# Altium PCB Fail 1.PcbDoc (part 1 of 2)
Units mil, origin at the board's own origin, x right, y up, seen from the top; angles counter-clockwise.
Board outline 15070 x 12950 mil, 6 copper layers (Top Layer, Layer 3, Layer 1, Layer 2, Layer 4, Bottom Layer), stack 32.112 mil thick; 221 components, 155 nets, 921 pads, 0 vias.
Unrouted connection lines stored in the file: 504.
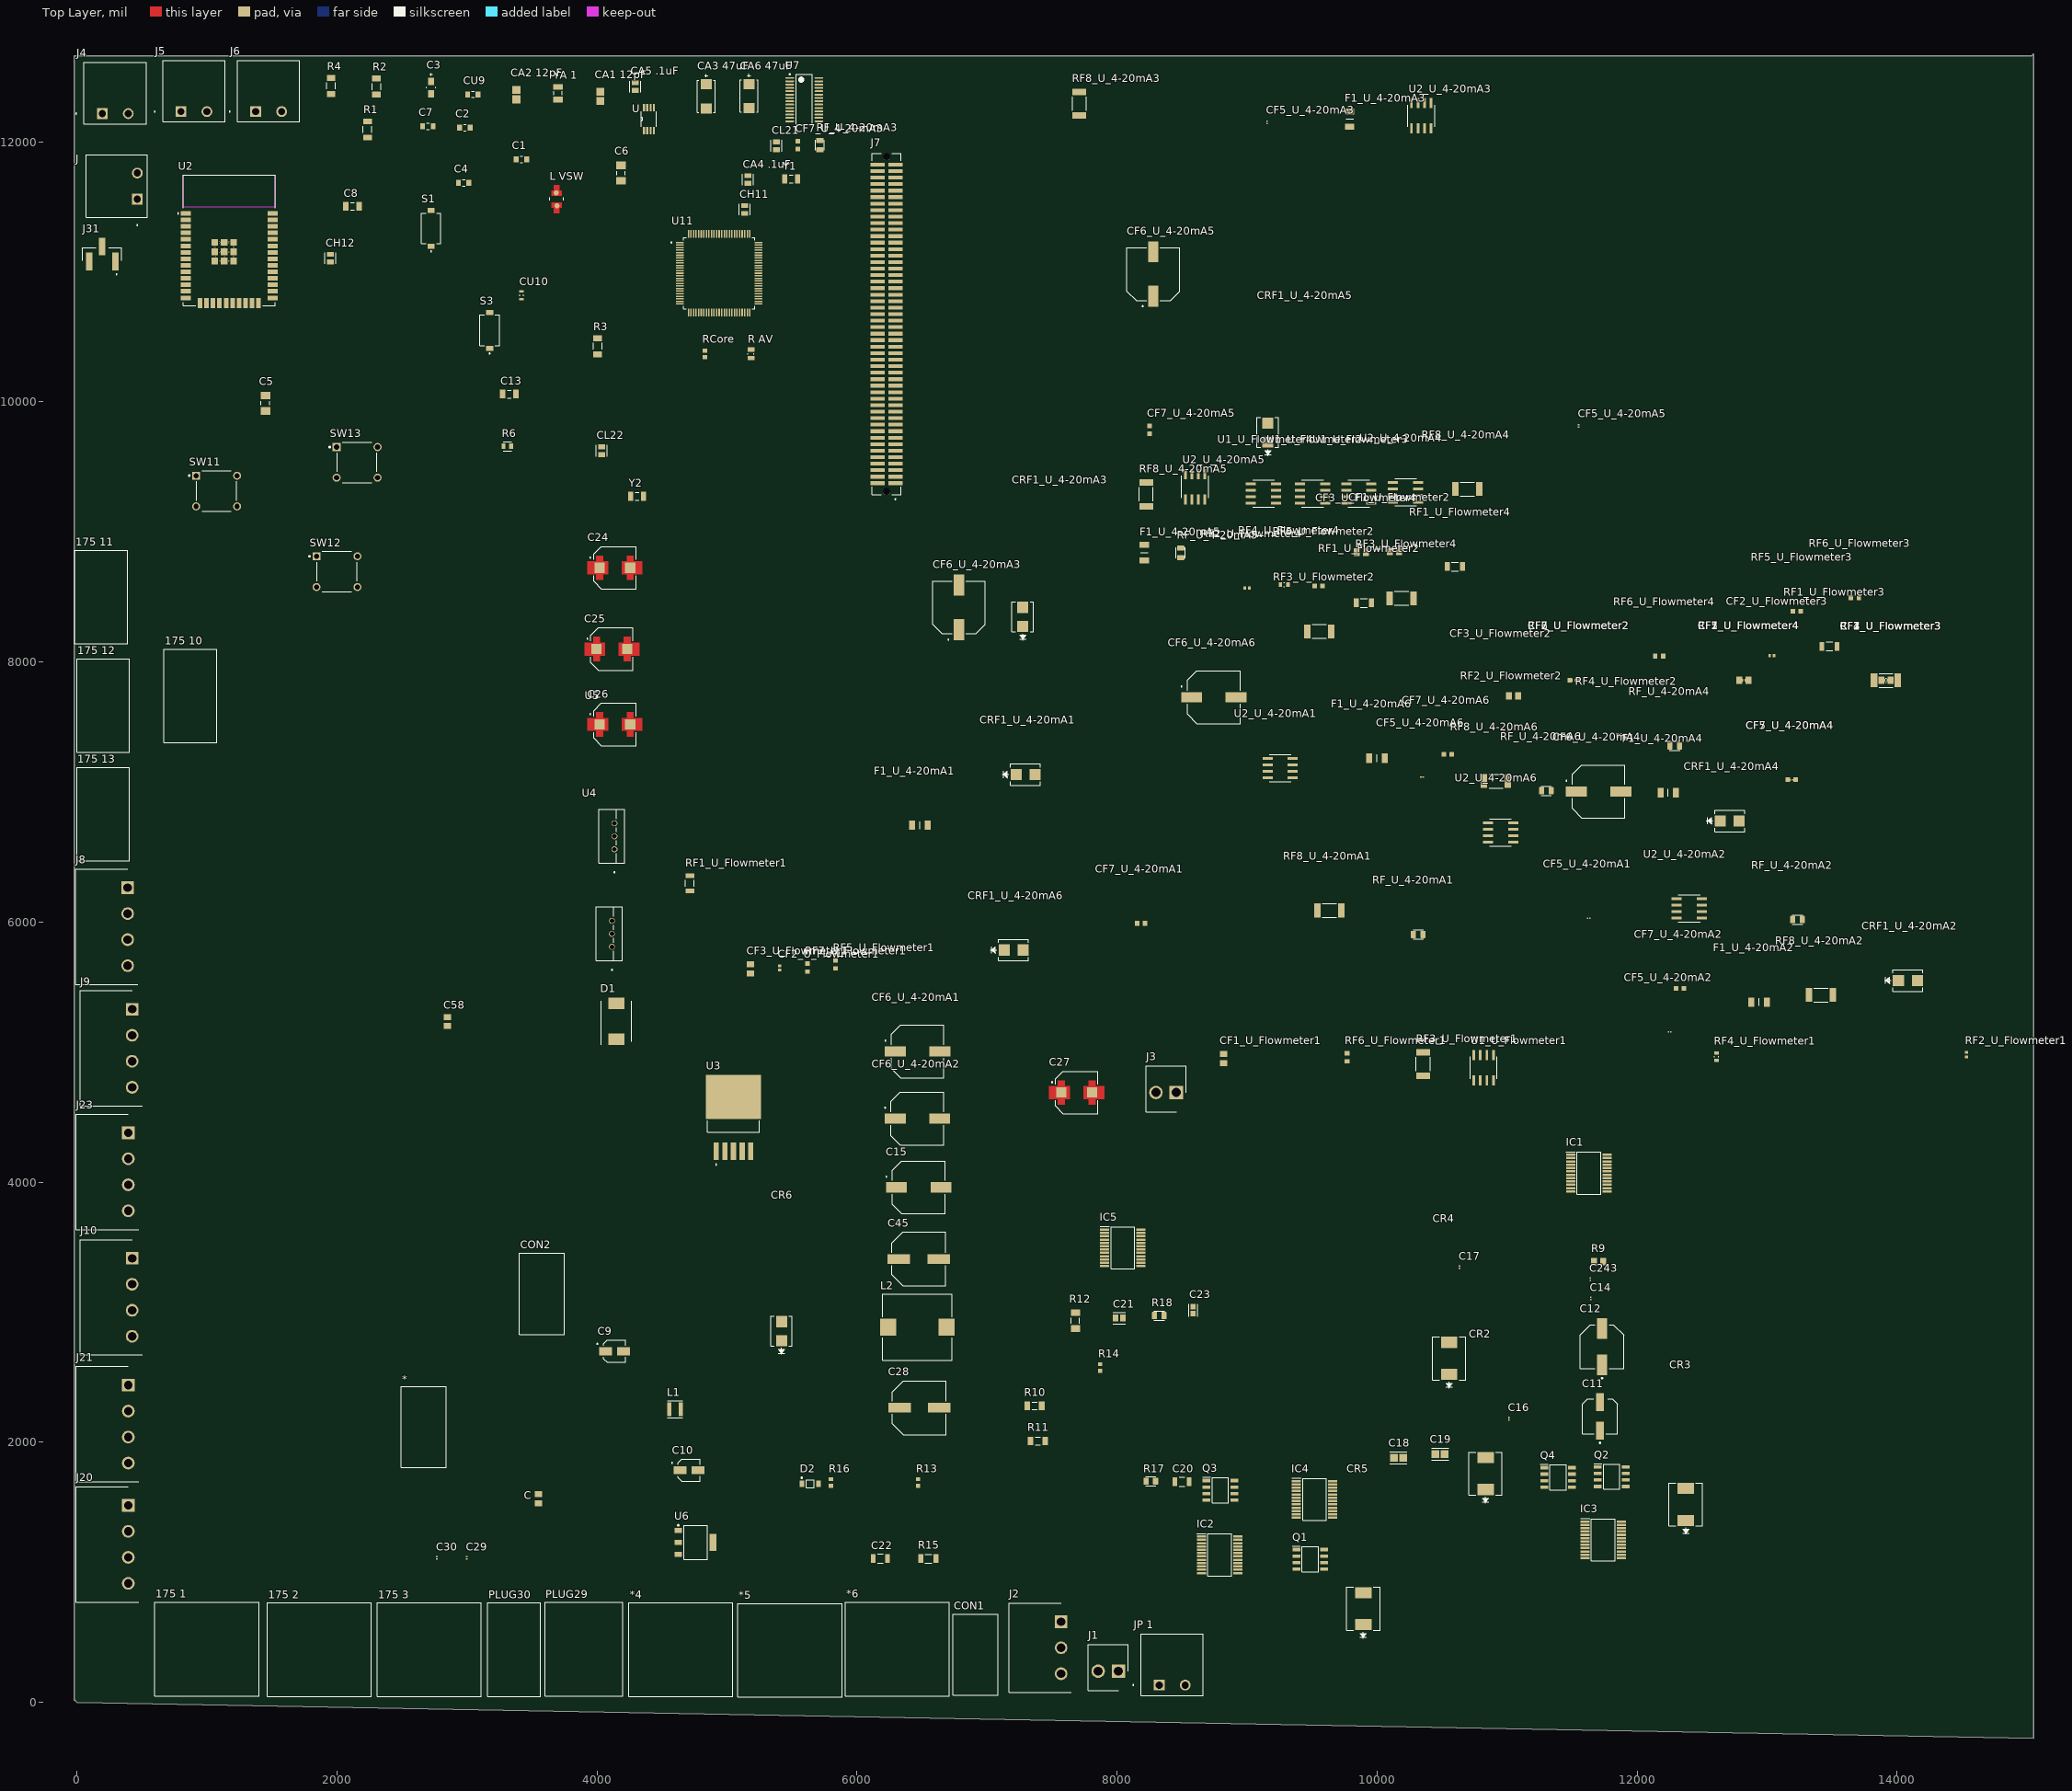
[diagram p0: Top Layer view]
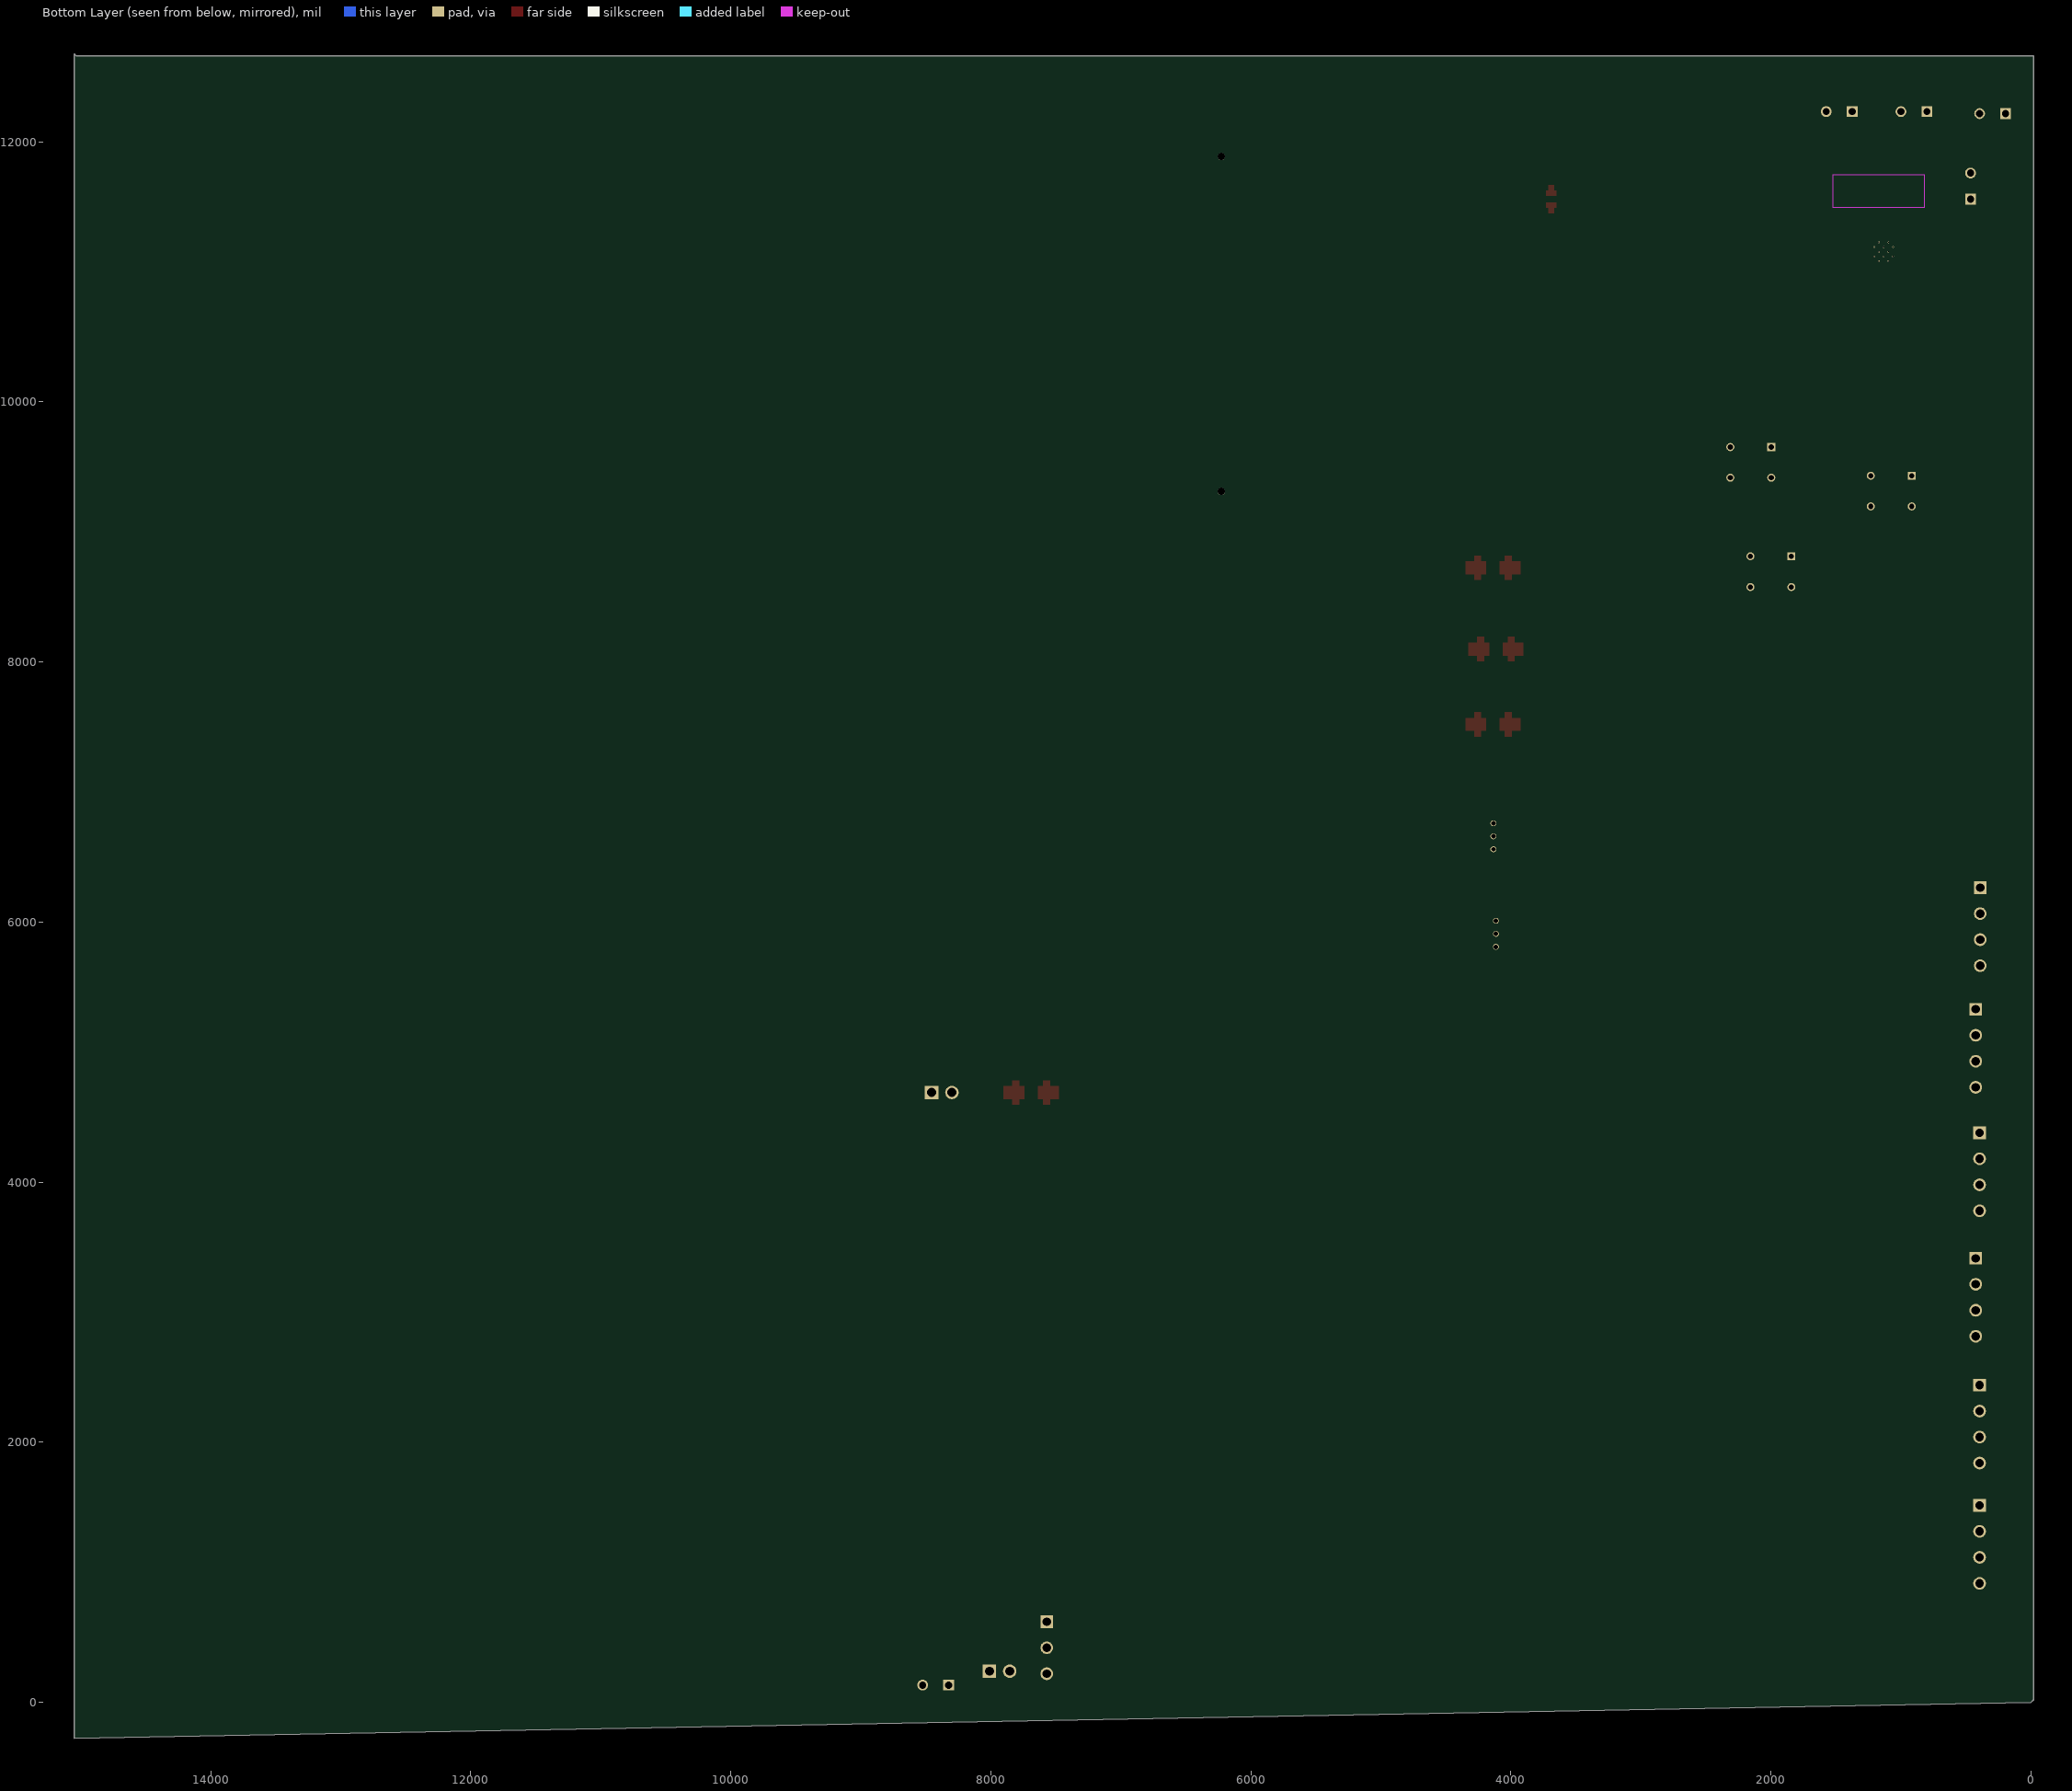
[diagram p1: Bottom Layer view, seen from below]

## Layer stack, top to bottom
Top Solder: solder mask 0.4, Solder Resist, Dk 3.5
Top Layer: signal copper 1.4
Dielectric 4: prepreg 2.8, PP-006, Dk 4.1
Layer 3: signal copper 1.378
Dielectric 2: prepreg 2.8, PP-006, Dk 4.1
Layer 1: signal copper 1.378
Dielectric 1: dielectric 12.6, FR-4, Dk 4.8
Layer 2: signal copper 1.378
Dielectric 3: prepreg 2.8, PP-006, Dk 4.1
Layer 4: signal copper 1.378
Dielectric 5: prepreg 2.8, PP-006, Dk 4.1
Bottom Layer: signal copper 1.4
Bottom Solder: solder mask 0.4, Solder Resist, Dk 3.5

## Board outline
0,0 -20,20 -20,12660 15035,12660 15050,12675 15050,-275

## Design rules (kind name [scope] priority, off if disabled: settings)
Clearance [All] p1: gap=10 ignorepadtopadclearanceinfootprint=FALSE except(0: Arc-Hole Track-Hole SMDPad-Hole THPad-Hole Via-Hole Fill-Hole Poly-Hole Region-Hole Text-Hole)
PolygonConnect [All] p1: connectstyle=Relief reliefconductorwidth=10 reliefentries=4 polygonreliefangle="90 Angle" airgapwidth=10
RoutingVias [All] p1: holewidth=28 width=50 viastyle="Through Hole" minholewidth=28 minwidth=50 maxholewidth=28 maxwidth=50
SolderMaskExpansion [All] p1: expansion=4 istentingtop=FALSE
Width [All] p1: maxlimit=10 minlimit=10 preferedwidth=10
30 further rules are at their usual default settings.

## Classes and differential pairs
channel class Flowmeter: U_Flowmeter1 U_Flowmeter2 U_Flowmeter3 U_Flowmeter4
channel class 4-20mA: U_4-20mA1 U_4-20mA2 U_4-20mA3 U_4-20mA4 U_4-20mA5 U_4-20mA6
component class U_PowerSystem: * C24 C25 C26 C27 CON1 CON2 CR6 J1 J2 J3 "JP 1" PLUG29 PLUG30 U4 U5
component class U_MCU: C1 C2 C3 C4 C7 CU9 CU10 "L VSW" "R AV" RCore U11
component class "U_HFX LFX": CH11 CH12 CL21 CL22 Y1 Y2
component class U_Flowmeter_Interface: "175 10" "175 11" "175 12" "175 13" J J4 J5 J6
component class U_Flowmeter4: *_U_Flowmeter4 CF1_U_Flowmeter4 CF2_U_Flowmeter4 CF3_U_Flowmeter4 RF1_U_Flowmeter4 RF2_U_Flowmeter4 RF3_U_Flowmeter4 RF4_U_Flowmeter4 RF5_U_Flowmeter4 RF6_U_Flowmeter4 RF7_U_Flowmeter4 U1_U_Flowmeter4
component class U_Flowmeter3: *_U_Flowmeter3 CF1_U_Flowmeter3 CF2_U_Flowmeter3 CF3_U_Flowmeter3 RF1_U_Flowmeter3 RF2_U_Flowmeter3 RF3_U_Flowmeter3 RF4_U_Flowmeter3 RF5_U_Flowmeter3 RF6_U_Flowmeter3 RF7_U_Flowmeter3 U1_U_Flowmeter3
component class U_Flowmeter2: *_U_Flowmeter2 CF1_U_Flowmeter2 CF2_U_Flowmeter2 CF3_U_Flowmeter2 RF1_U_Flowmeter2 RF2_U_Flowmeter2 RF3_U_Flowmeter2 RF4_U_Flowmeter2 RF5_U_Flowmeter2 RF6_U_Flowmeter2 RF7_U_Flowmeter2 U1_U_Flowmeter2
component class U_Flowmeter1: *_U_Flowmeter1 CF1_U_Flowmeter1 CF2_U_Flowmeter1 CF3_U_Flowmeter1 RF1_U_Flowmeter1 RF2_U_Flowmeter1 RF3_U_Flowmeter1 RF4_U_Flowmeter1 RF5_U_Flowmeter1 RF6_U_Flowmeter1 RF7_U_Flowmeter1 U1_U_Flowmeter1
component class U_ESP32: C5 C6 C8 J31 R1 R2 R3 R4 S1 S3 U2
component class "U_Button and more": C13 J7 R6 SW11 SW12 SW13
component class "U_Analog to Digital": "CA1 12pF" "CA2 12pF" "CA3 47uF" "CA4 .1uF" "CA5 .1uF" "CA6 47uF" U U7 "YA 1"
component class U_24V_DCDC_Conv: C11 C12 C14 C15 C16 C17 C18 C19 C20 C21 C22 C23 C243 CR2 CR3 CR4 CR5 D2 IC1 IC2 IC3 IC4 IC5 L2 Q1 Q2 Q3 Q4 R9 R10 R11 R12 R13 R14 R15 R16 R17 R18
component class U_5V_DCDC_Conv: C C9 C10 C58 D1 L1 U3
component class U_4-20mA_Inputs_(3-6): *4 *5 *6 J8 J9 J10
component class U_4-20mA_Inputs_(1-3): "175 1" "175 2" "175 3" J20 J21 J23
component class U_4-20mA6: CF5_U_4-20mA6 CF6_U_4-20mA6 CF7_U_4-20mA6 CRF1_U_4-20mA6 F1_U_4-20mA6 RF8_U_4-20mA6 RF_U_4-20mA6 U2_U_4-20mA6
component class U_4-20mA5: CF5_U_4-20mA5 CF6_U_4-20mA5 CF7_U_4-20mA5 CRF1_U_4-20mA5 F1_U_4-20mA5 RF8_U_4-20mA5 RF_U_4-20mA5 U2_U_4-20mA5
component class U_4-20mA4: CF5_U_4-20mA4 CF6_U_4-20mA4 CF7_U_4-20mA4 CRF1_U_4-20mA4 F1_U_4-20mA4 RF8_U_4-20mA4 RF_U_4-20mA4 U2_U_4-20mA4
component class U_4-20mA3: CF5_U_4-20mA3 CF6_U_4-20mA3 CF7_U_4-20mA3 CRF1_U_4-20mA3 F1_U_4-20mA3 RF8_U_4-20mA3 RF_U_4-20mA3 U2_U_4-20mA3
component class U_4-20mA2: CF5_U_4-20mA2 CF6_U_4-20mA2 CF7_U_4-20mA2 CRF1_U_4-20mA2 F1_U_4-20mA2 RF8_U_4-20mA2 RF_U_4-20mA2 U2_U_4-20mA2
component class U_4-20mA1: CF5_U_4-20mA1 CF6_U_4-20mA1 CF7_U_4-20mA1 CRF1_U_4-20mA1 F1_U_4-20mA1 RF8_U_4-20mA1 RF_U_4-20mA1 U2_U_4-20mA1
component class U_3.3V_Regulator: C28 C29 C30 C45 U6

## Components (designator, comment, footprint, x,y, rotation, side; value= is the part's Value field where it differs from the comment)
"175 1" "1758377" Connector_1758377 980,410 r0 top
"175 2" "1758377" Connector_1758377 1845,405 r0 top
"175 3" "1758377" Connector_1758377 2690,405 r0 top
"175 10" "1758364" Connector_1758364 885,7740 r90 top
"175 11" "1758364" Connector_1758364 200,8500 r90 top
"175 12" "1758364" Connector_1758364 215,7665 r90 top
"175 13" "1758364" Connector_1758364 215,6830 r90 top
* "09-50-8023" Connector_09-50-8023 2665,2105 r0 top
*4 "1758377" Connector_1758377 4625,405 r0 top
*5 "1758377" Connector_1758377 5465,400 r0 top
*6 "1758377" Connector_1758377 6290,410 r0 top
C "C0805C104M5UACTU" CAPC2012X88N 3550,1565.55 r90 top
C1 "CGA3E2X7R1H104K080AA" FP-CGA3E-0_3-0_1-IPC_A 3420,11865 r0 top
C2 "CGA3E2X7R1H104K080AA" FP-CGA3E-0_3-0_1-IPC_A 2985,12110 r0 top
C3 "T520A106M010ATE080" FP-T520A106M010ATE080-MFG 2725,12417.76 r90 top
C4 "CGA3E2X7R1H104K080AA" FP-CGA3E-0_3-0_1-IPC_A 2975,11685 r0 top
C5 "C1206C104K5RACTU" KEMT-1206-2_M 1450,9990 r90 top
C6 "C1206C104K5RACTU" KEMT-1206-2_M 4185,11760 r90 top
C7 "CGA3E2X7R1H104K080AA" FP-CGA3E-0_3-0_1-IPC_A 2699.65,12120 r0 top
C8 "12063D106KAT2A" CAPC3216X229X50LL20T25 2118.82,11505 r0 top
C9 "EEEFN1C470UR" CAP_EEEFN1C470UR 4135,2700 r0 top
C10 "EEEFN1C470UR" CAP_EEEFN1C470UR 4708.9,1785 r0 top
C11 "35SVPF22M" FP-SVPFC6-MFG 11715,2200 r90 top
C12 "EEE-HA1E221UP" FP-HAF-MFG 11730,2735 r90 top value=220uF
C13 "12067C102KAT2A" CAPC3216X102X50LL20T25 3326.18,10060 r0 top
C14 "GRM022R60J104ME15L" CAPC0402X22N 11645,3106.26 r90 top
C15 "EEVEB2V4R7Q" CAP_EEVEB2V4R7Q 6475,3960 r0 top
C16 "GRM022R60J104ME15L" CAPC0402X22N 11015,2181.26 r90 top
C17 "GRM022R60J104ME15L" CAPC0402X22N 10635,3346.26 r90 top
C18 "C0805C224K5RACTU" FP-C0805C-DN-IPC_A 10165.46,1880 r0 top value="0.22 μF"
C19 "C0805C224K5RACTU" FP-C0805C-DN-IPC_A 10485,1910 r0 top value="0.22 μF"
C20 "C1206C680J5GACTU" FP-C1206C-EB-MFG 8499.76,1695.75 r0 top value="68 pF"
C21 "CC0805KRX7R9BB223" FP-CC0805-0_85-IPC_C 8017.41,2955 r0 top value="22 nF"
C22 "C1206C470J5GACTU" FP-C1206C-EB-MFG 6180.12,1105 r0 top value="47 pF"
C23 "CC0603KRX7R9BB103" FP-CC0603-DA-IPC_B 8585,3015 r90 top value="10 nF"
C24 "EEEFK0J102AV" CAP_EEEFK0J102AV 4138.11,8725 r0 top
C25 "EEEFK0J102AV" CAP_EEEFK0J102AV 4115,8100 r0 top
C26 "EEEFK0J102AV" CAP_EEEFK0J102AV 4138.11,7520 r0 top
C27 "EEEFK0J102AV" CAP_EEEFK0J102AV 7690,4690 r0 top
C28 "EEE-1HA221P" PNSC-EEE-1HA221P_L 6480,2265 r0 top
C29 "GRM022R60J104ME15L" CAPC0402X22N 2998.86,1110.55 r90 top
C30 "GRM022R60J104ME15L" CAPC0402X22N 2768.86,1110.55 r90 top
C45 "EEE-1HA221P" PNSC-EEE-1HA221P_L 6475,3410 r0 top
C58 "GRM022R60J104ME15L" CAPC2012X88N 2850,5235 r90 top
C243 "GRM022R60J104ME15L" CAPC0402X22N 11640,3255 r90 top
"CA1 12pF" "08055A120JAT2A" CAPC2013X71X50ML20T25 4025,12350 r90 top
"CA2 12pF" "08055A120JAT2A" CAPC2013X71X50ML20T25 3380,12363.58 r90 top
"CA3 47uF" "T491C476K016AT" FP-T491C476K016AT-MFG 4840,12350 r90 top
"CA4 .1uF" "C0805C104K5RACTU" FP-C0805C-DN-MFG 5160,11710 r90 top value="0.10 μF"
"CA5 .1uF" "C0805C104K5RACTU" FP-C0805C-DN-MFG 4295,12425 r90 top value="0.10 μF"
"CA6 47uF" "T491C476K016AT" FP-T491C476K016AT-MFG 5170,12352.09 r90 top
CF1_U_Flowmeter1 "08056C106MAT2A" CAPC2012X152N 8820,4950.71 r90 top (schematic designator CF1)
CF1_U_Flowmeter2 "08056C106MAT2A" CAPC2012X152N 10134.65,8850 r0 top (schematic designator CF1)
CF1_U_Flowmeter3 "08056C106MAT2A" CAPC2012X152N 13914.5,7859.5 r0 top (schematic designator CF1)
CF1_U_Flowmeter4 "08056C106MAT2A" CAPC2012X152N 12822,7860 r0 top (schematic designator CF1)
CF2_U_Flowmeter1 "CGJ2B2X7R1C222K050BA" CAPC1005X55N 5405,5647.8 r90 top (schematic designator CF2)
CF2_U_Flowmeter2 "CGJ2B2X7R1C222K050BA" CAPC1005X55N 11513,7860 r0 top (schematic designator CF2)
CF2_U_Flowmeter3 "CGJ2B2X7R1C222K050BA" CAPC1005X55N 13037.2,8050 r0 top (schematic designator CF2)
CF2_U_Flowmeter4 "CGJ2B2X7R1C222K050BA" CAPC1005X55N 12822,7860 r0 top (schematic designator CF2)
CF3_U_Flowmeter1 "08056C106MAT2A" CAPC2012X152N 5180,5640.35 r90 top (schematic designator CF3)
CF3_U_Flowmeter2 "08056C106MAT2A" CAPC2012X152N 11050,7740 r0 top (schematic designator CF3)
CF3_U_Flowmeter3 "08056C106MAT2A" CAPC2012X152N 13914.5,7859.5 r0 top (schematic designator CF3)
CF3_U_Flowmeter4 "08056C106MAT2A" CAPC2012X152N 9879.65,8845 r0 top (schematic designator CF3)
CF5_U_4-20mA1 "GRM022R60J104ME15L" CAPC0402X22N 11628.74,6030 r0 top (schematic designator CF5)
CF5_U_4-20mA2 "GRM022R60J104ME15L" CAPC0402X22N 12251.26,5155 r0 top (schematic designator CF5)
CF5_U_4-20mA3 "GRM022R60J104ME15L" CAPC0402X22N 9155,12151.26 r90 top (schematic designator CF5)
CF5_U_4-20mA4 "GRM022R60J104ME15L" CAPC0402X22N 13188.74,7095 r0 top (schematic designator CF5)
CF5_U_4-20mA5 "GRM022R60J104ME15L" CAPC0402X22N 11550,9816.54 r90 top (schematic designator CF5)
CF5_U_4-20mA6 "GRM022R60J104ME15L" CAPC0402X22N 10346.26,7115 r0 top (schematic designator CF5)
CF6_U_4-20mA1 "EEVEB2V4R7Q" CAP_EEVEB2V4R7Q 6466.26,5005 r0 top (schematic designator CF6)
CF6_U_4-20mA2 "EEVEB2V4R7Q" CAP_EEVEB2V4R7Q 6465,4490 r0 top (schematic designator CF6)
CF6_U_4-20mA3 "EEVEB2V4R7Q" CAP_EEVEB2V4R7Q 6785,8420 r90 top (schematic designator CF6)
CF6_U_4-20mA4 "EEVEB2V4R7Q" CAP_EEVEB2V4R7Q 11705,7005 r0 top (schematic designator CF6)
CF6_U_4-20mA5 "EEVEB2V4R7Q" CAP_EEVEB2V4R7Q 8280,10983.74 r90 top (schematic designator CF6)
CF6_U_4-20mA6 "EEVEB2V4R7Q" CAP_EEVEB2V4R7Q 8745,7730 r0 top (schematic designator CF6)
CF7_U_4-20mA1 "GCM188R71C105KA64J" CAPC1608X90N 8184.68,5990 r0 top (schematic designator CF7)
CF7_U_4-20mA2 "GCM188R71C105KA64J" CAPC1608X90N 12330,5490 r0 top (schematic designator CF7)
CF7_U_4-20mA3 "GCM188R71C105KA64J" CAPC1608X90N 5545,11975 r90 top (schematic designator CF7)
CF7_U_4-20mA4 "GCM188R71C105KA64J" CAPC1608X90N 13188.74,7095 r0 top (schematic designator CF7)
CF7_U_4-20mA5 "GCM188R71C105KA64J" CAPC1608X90N 8250,9786.54 r90 top (schematic designator CF7)
CF7_U_4-20mA6 "GCM188R71C105KA64J" CAPC1608X90N 10545,7290 r0 top (schematic designator CF7)
CH11 "C0805C220J1GACTU" FP-C0805C-DN-MFG 5135,11480 r90 top value="22 pF"
CH12 "C0805C220J1GACTU" FP-C0805C-DN-MFG 1950,11105.47 r90 top value="22 pF"
CL21 "C0805C220J1GACTU" FP-C0805C-DN-MFG 5380,11970 r90 top value="22 pF"
CL22 "C0805C220J1GACTU" FP-C0805C-DN-MFG 4035,9625 r90 top value="22 pF"
CON1 "09-50-8023" Connector_09-50-8023 6910,355 r0 top
CON2 "09-50-8023" Connector_09-50-8023 3575,3130 r0 top
CR2 "SS34-E3/9AT" CR_3/9AT_VIS 10835,1760 r90 top
CR3 "SS34-E3/9AT" CR_3/9AT_VIS 12375,1522 r90 top
CR4 "SS34-E3/9AT" CR_3/9AT_VIS 10555,2645 r90 top
CR5 "SS34-E3/9AT" CR_3/9AT_VIS 9894.76,720.75 r90 top
CR6 "1KSMB39CA" 1KSMBSeries_LTF 5420,2855 r90 top
CRF1_U_4-20mA1 "1KSMB39CA" 1KSMBSeries_LTF 7297,7135 r0 top (schematic designator CRF1)
CRF1_U_4-20mA2 "1KSMB39CA" 1KSMBSeries_LTF 14083,5551.27 r0 top (schematic designator CRF1)
CRF1_U_4-20mA3 "1KSMB39CA" 1KSMBSeries_LTF 7275,8347 r90 top (schematic designator CRF1)
CRF1_U_4-20mA4 "1KSMB39CA" 1KSMBSeries_LTF 12713,6777.91 r0 top (schematic designator CRF1)
CRF1_U_4-20mA5 "1KSMB39CA" 1KSMBSeries_LTF 9160,9765 r90 top (schematic designator CRF1)
CRF1_U_4-20mA6 "1KSMB39CA" 1KSMBSeries_LTF 7205,5785 r0 top (schematic designator CRF1)
CU9 "CGA3E2X7R1H104K080AA" FP-CGA3E-0_3-0_1-IPC_A 3045.35,12365 r0 top
CU10 "TPCL475K010R5000" CAPC1609X100X15LL20 3420,10820 r90 top
D1 "SS34-E3_57T" DIOM7959X262N 4150,5237.2 r90 top
D2 "MMSZ4689T1G" ONSC-SOD-123-2-425-04_V 5639.76,1680.75 r0 top
F1_U_4-20mA1 "0ZCJ0005FF2E" FUSC3216X85N 6484.84,6745 r0 top (schematic designator F1)